# KiCad board bitaxeUltra.kicad_pcb
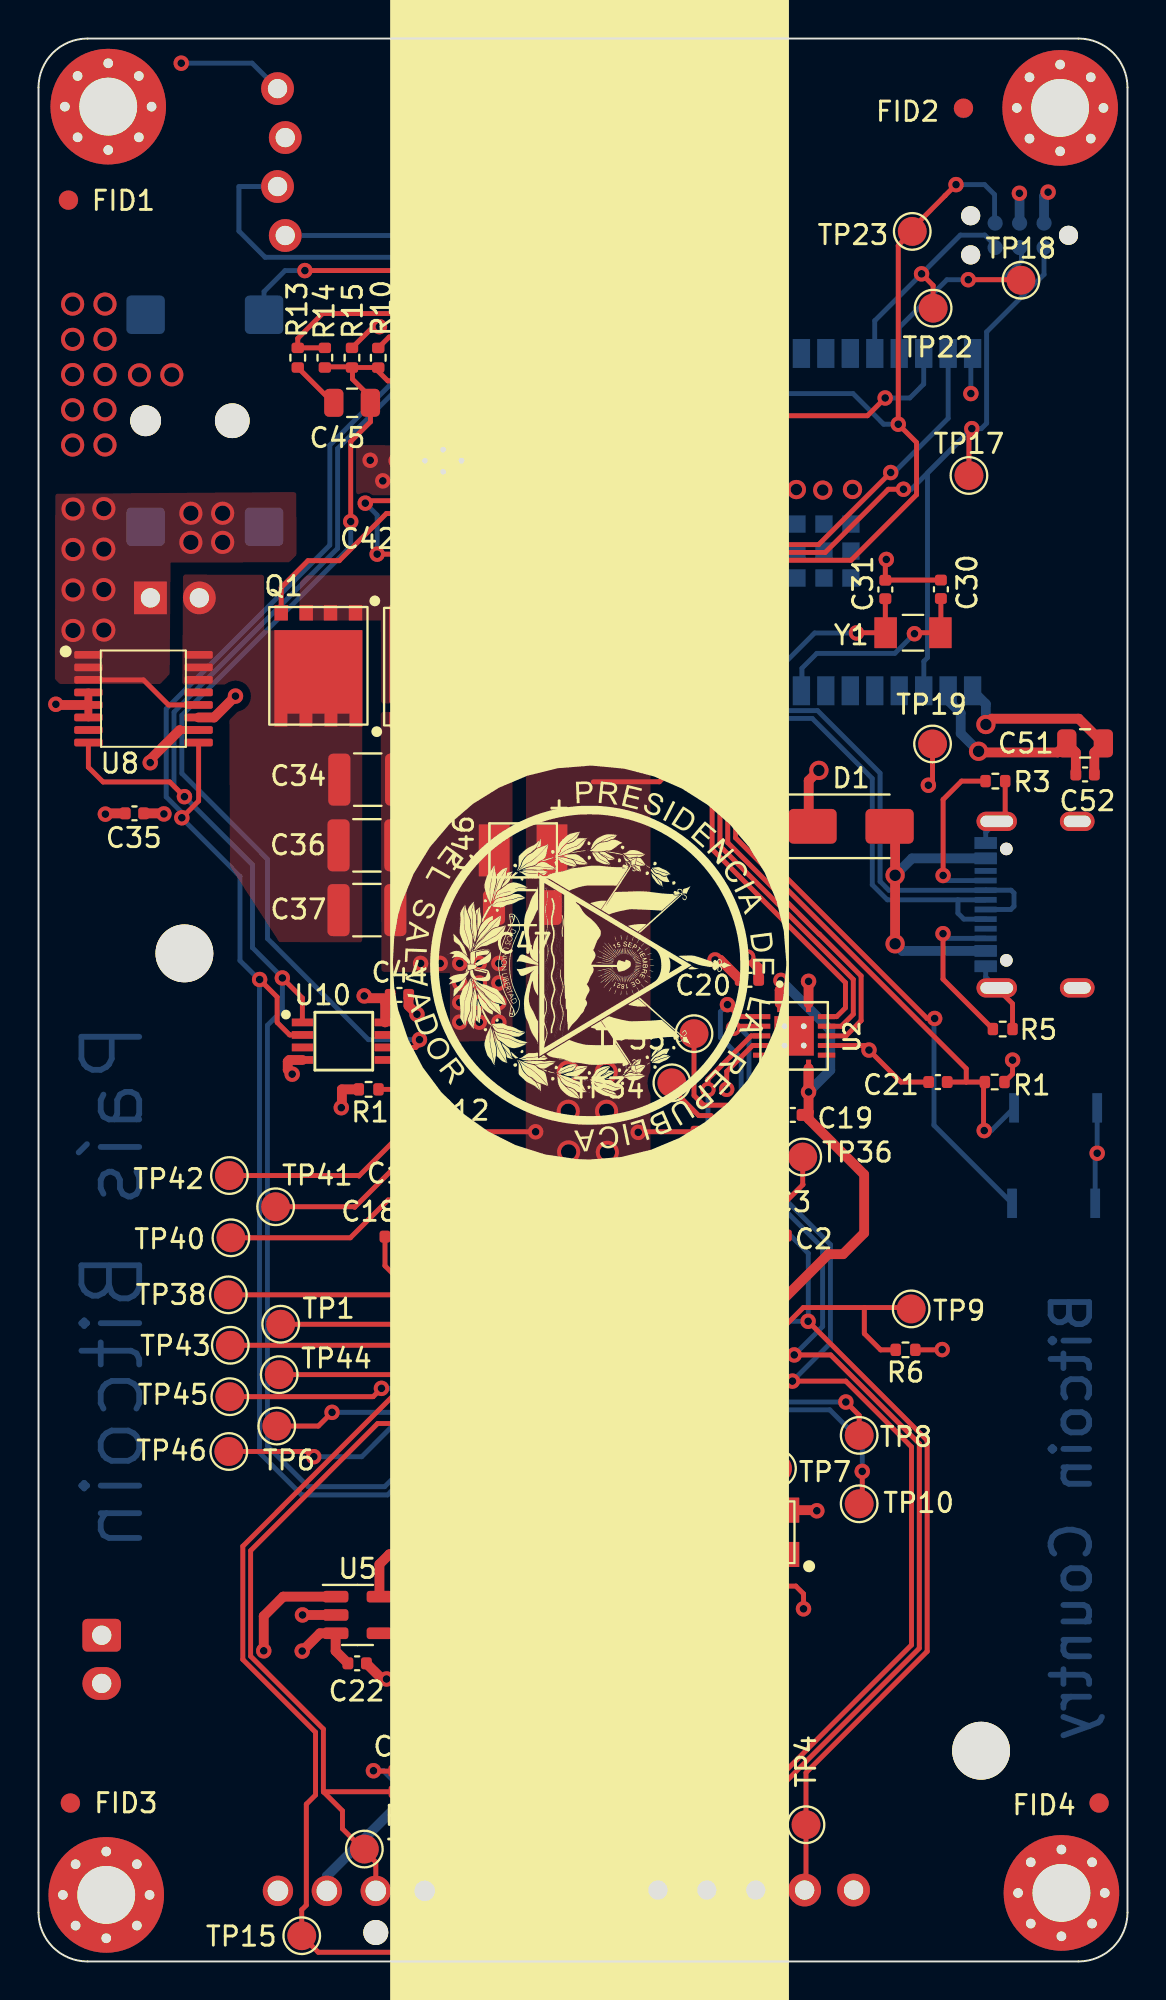
[diagram p0: board, top side]
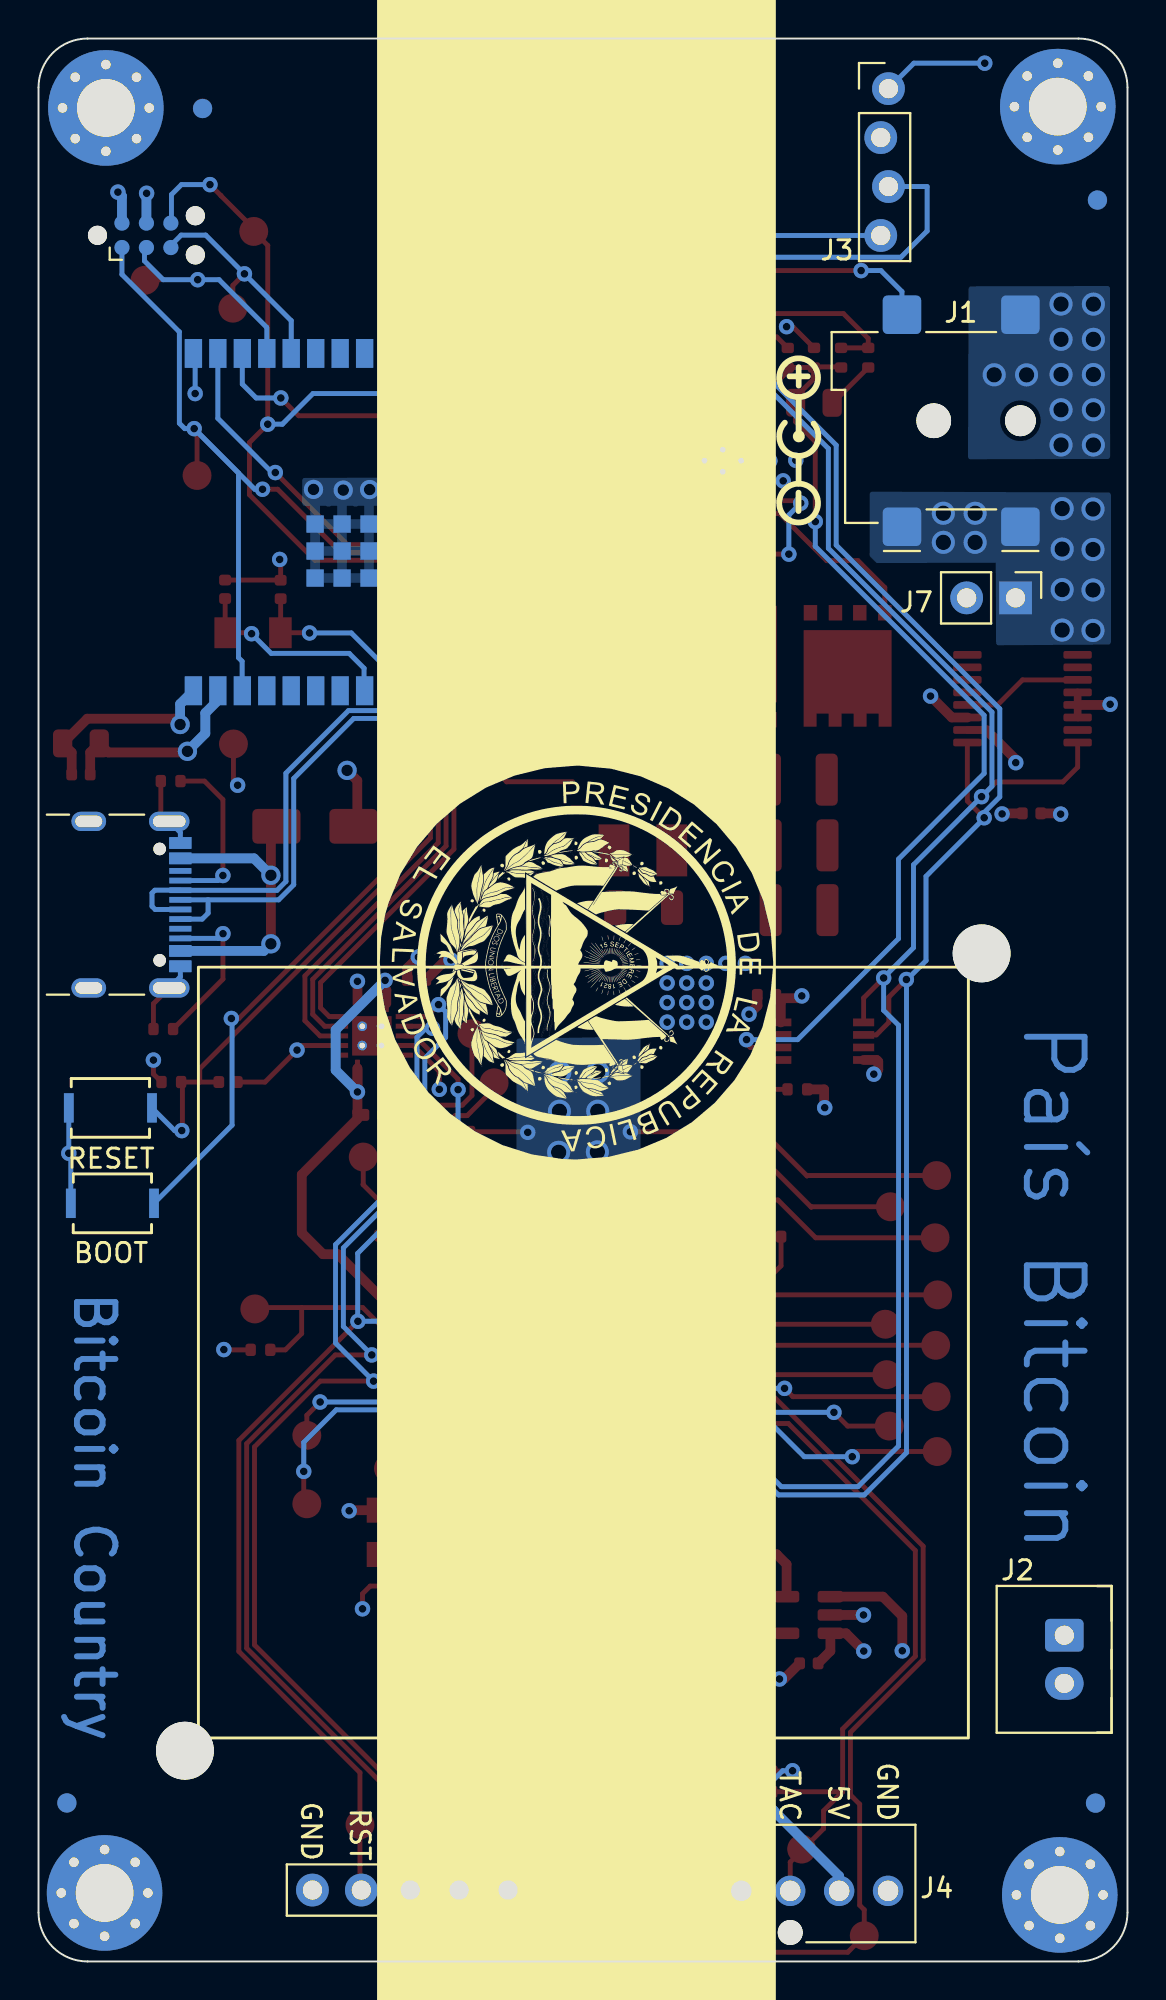
[diagram p1: board, bottom side, seen from below]

Outline 56.54 x 99.76 mm; copper layers: Top, In1.Cu, In2.Cu, Bottom. Coordinates in mm from the lower left corner of the outline.
Outline path: 0,97.22 arc(0.74,99.02) 2.54,99.76 54,99.76 arc(55.8,99.02) 56.54,97.22 56.54,2.54 arc(55.8,0.74) 54,0 2.54,0 arc(0.74,0.74) 0,2.54 0,97.22
Stack: Top 0.02mm / dielectric 0.5mm FR4 er 4.5 / In1.Cu 0.02mm / dielectric 0.5mm FR4 er 4.5 / In2.Cu 0.02mm / dielectric 0.5mm FR4 er 4.5 / Bottom 0.02mm

## Placement (name value [footprint] x y rotation side)
C1  0.1uF  [C_0402_1005Metric]  38.06 19.47 180 top
C2  1uF  [C_0402_1005Metric]  38.35 37.66 180 top
C3  1uF  [C_0402_1005Metric]  37.25 39.49 180 top
C4  1uF  [C_0402_1005Metric]  31.3 24.97 90 top
C5  1uF  [C_0402_1005Metric]  34.97 25.96 90 top
C6  1uF  [C_0402_1005Metric]  35.95 41.25 180 top
C7  0.1uF  [C_0402_1005Metric]  35.08 32.63 270 top
C8  1uF  [C_0402_1005Metric]  34.62 43.04 180 top
C9  0.1uF  [C_0402_1005Metric]  32.79 32.57 270 top
C10  1uF  [C_0402_1005Metric]  31.52 32.6 270 top
C11  1uF  [C_0402_1005Metric]  33.96 32.58 270 top
C12  1uF  [C_0402_1005Metric]  22.11 43.04 180 top
C13  330uF  [CP_EIA-7343-31_Kemet-D_Pad2.25x2.55mm_HandSolder]  28.41 32.72 270 top
C14  1uF  [C_0402_1005Metric]  21.42 25.5 180 top
C15  1uF  [C_0402_1005Metric]  20.82 41.24 180 top
C16  1uF  [C_0402_1005Metric]  25.46 24.97 90 top
C17  1uF  [C_0402_1005Metric]  19.54 39.5 180 top
C18  1uF  [C_0402_1005Metric]  18.47 37.6 180 top
C19  0.1uF  [C_0402_1005Metric]  39.17 43.92 180 top
C20  0.1uF  [C_0402_1005Metric]  36.91 50.93 180 top
C21  1uF  [C_0402_1005Metric]  46.7 45.62 180 top
C22  1uF  [C_0402_1005Metric]  16.54 15.47 0 top
C23  1uF  [C_0402_1005Metric]  25.02 14.67 0 top
C24  1uF  [C_0402_1005Metric]  19.57 18.17 270 top
C25  1uF  [C_0402_1005Metric]  28.35 17.04 270 top
C27  1uF  [C_0402_1005Metric]  34.34 81.35 0 top
C28  220uF  [CP_Elec_6.3x7.7]  26.3 5.86 270 bottom
C29  0.1uF  [C_0402_1005Metric]  18.93 9.87 0 top
C30  6.8pF  [C_0402_1005Metric]  46.85 71.19 90 top
C31  6.8pF  [C_0402_1005Metric]  43.97 71.18 90 top
C33  0.1uF  [C_0402_1005Metric]  24.94 36.72 90 top
C34  47uF  [C_1210_3225Metric]  17.09 61.31 0 top
C35  1uF  [C_0402_1005Metric]  4.98 59.56 180 top
C36  47uF  [C_1210_3225Metric]  17.05 57.9 0 top
C37  47uF  [C_1210_3225Metric]  17.05 54.54 0 top
C38  1uF  [C_0805_2012Metric]  24.59 79.12 270 top
C39  3.3nF  [C_0402_1005Metric]  27.94 79.83 0 top
C40  180pF  [C_0805_2012Metric]  20.19 82.02 180 top
C41  1.5nF  [C_0805_2012Metric]  20.22 84.28 180 top
C42  0.1uF  [C_0402_1005Metric]  19.48 74.16 0 top
C43  10uF  [C_0805_2012Metric]  28.68 77.8 180 top
C44  1uF  [C_0402_1005Metric]  18.74 50.14 0 top
C45  470pF  [C_0805_2012Metric]  16.28 80.86 0 top
C46  220uF  [CAP_2R5TPE220MAFB]  25.16 57.64 180 top
C47  100uF  [C_1206_3216Metric]  25.12 54.67 180 top
C49  1uF  [C_0402_1005Metric]  37.41 86.35 180 top
C51  10uF  [C_0805_2012Metric]  54.34 63.19 0 top
C52  0.1uF  [C_0402_1005Metric]  54.34 61.58 0 top
D1  SS310  [D_SMA]  42.19 58.89 0 top
FID1  Fiducial  [Fiducial_1mm_Mask2mm]  1.55 91.38 0 top
FID2  Fiducial  [Fiducial_1mm_Mask2mm]  48.03 96.15 0 top
FID3  Fiducial  [Fiducial_1mm_Mask2mm]  1.65 8.22 0 top
FID4  Fiducial  [Fiducial_1mm_Mask2mm]  55.07 8.22 0 top
FID5  Fiducial  [Fiducial_1mm_Mask2mm]  48.03 96.13 180 bottom
FID6  Fiducial  [Fiducial_1mm_Mask2mm]  1.56 91.38 180 bottom
FID7  Fiducial  [Fiducial_1mm_Mask2mm]  55.07 8.22 180 bottom
FID8  Fiducial  [Fiducial_1mm_Mask2mm]  1.66 8.21 180 bottom
G***  LOGO  [flagLogo]  28.61 51.68 270 top
G***#2  LOGO  [flagStrip]  28.61 51.68 270 top
G***#3  LOGO  [flagLogo]  28.61 51.68 270 bottom
G***#4  LOGO  [flagStrip]  28.61 51.68 270 bottom
H5  MountingHole  [MountingHole_3.5mm#2]  48.87 10.92 0 top
H6  MountingHole  [MountingHole_3.5mm]  7.52 52.37 0 top
H7  MountingHole_Pad  [MountingHole_3mm_Pad_Via]  53.05 96.16 0 top
H8  MountingHole_Pad  [MountingHole_3mm_Pad_Via]  3.62 96.23 0 top
H9  MountingHole_Pad  [MountingHole_3mm_Pad_Via]  53.11 3.56 0 top
H10  MountingHole_Pad  [MountingHole_3mm_Pad_Via]  3.52 3.45 0 top
J1  54-00164  [BarrelJack_Wuerth_694106106102_2.0x5.5mm]  8.64 79.93 90 bottom
J2  Conn_01x02  [JST_XH_B2B-XH-A_1x02_P2.50mm_Vertical]  3.28 16.92 270 bottom
J3  Conn_01x05  [PinHeader_1x05_P2.54mm_Vertical]  32.16 3.7 270 bottom
J3#2  Conn_01x04  [PinHeader_1x04_P2.54mm_Vertical_shifted]  12.61 97.16 180 bottom
J4  Conn_01x04  [470531000]  12.43 3.66 0 bottom
J5  TC2030-IDC  [Tag-Connect_TC2030-IDC-NL_2x03_P1.27mm_Vertical]  50.94 89.55 180 bottom
J7  Conn_01x02  [PinHeader_1x02_P2.54mm_Vertical]  5.81 70.74 270 bottom
J8  USB_C_Receptacle_USB2.0  [USB_C_Receptacle_GCT_USB4105-xx-A_16P_TopMnt_Horizontal]  52.86 54.83 270 bottom
Q1  -  [CSD17311Q5]  14.53 67.22 90 top
Q2  -  [CSD17311Q5]  20.49 67.17 270 top
Q4  2N7002K  [SOT-323_SC-70]  33.18 77.5 180 top
R1  10k  [R_0402_1005Metric]  49.65 45.63 180 top
R2  5.6k  [R_0402_1005Metric]  18.96 8.8 0 top
R3  5.1k  [R_0402_1005Metric]  49.68 61.24 180 top
R4  10k  [R_0402_1005Metric]  32.77 75.52 180 top
R5  5.1k  [R_0402_1005Metric]  50.07 48.37 180 top
R6  10k  [R_0402_1005Metric]  45.02 31.73 180 top
R7  10k  [R_0402_1005Metric]  32.66 72.87 0 top
R8  1M  [R_0402_1005Metric]  36.58 76.84 270 top
R9  10k  [R_0402_1005Metric]  23.9 35.73 90 top
R10  3.83k  [R_0402_1005Metric]  17.64 83.2 270 top
R12  4.12k  [R_0402_1005Metric]  21.97 74.16 0 top
R13  1.33k  [R_0402_1005Metric]  13.46 83.2 270 top
R14  4.99k  [R_0402_1005Metric]  14.87 83.2 270 top
R15  3.32k  [R_0402_1005Metric]  16.28 83.2 90 top
R16  80.6k  [R_0402_1005Metric]  17.14 45.24 180 top
SW1  GT-TC029B-H025-L1N  [SW_CS1213AGF260_CRS]  52.81 44.28 180 bottom
SW2  GT-TC029B-H025-L1N  [SW_CS1213AGF260_CRS]  52.71 39.33 180 bottom
TP1  TestPoint  [TestPoint_Pad_D1.5mm]  12.57 33.06 0 top
TP2  TestPoint  [TestPoint_Pad_D1.5mm]  34.7 7.13 0 top
TP3  TestPoint  [TestPoint_Pad_D1.5mm]  37.22 7.13 0 top
TP4  TestPoint  [TestPoint_Pad_D1.5mm]  39.85 7.09 90 top
TP5  TestPoint  [TestPoint_Pad_D1.5mm]  34.25 17.12 0 top
TP6  TestPoint  [TestPoint_Pad_D1.5mm]  12.37 27.78 0 top
TP7  TestPoint  [TestPoint_Pad_D1.5mm]  38.37 25.57 0 top
TP8  TestPoint  [TestPoint_Pad_D1.5mm]  42.61 27.29 0 top
TP9  TestPoint  [TestPoint_Pad_D1.5mm]  45.31 33.85 0 top
TP10  TestPoint  [TestPoint_Pad_D1.5mm]  42.61 23.74 0 top
TP13  TestPoint  [TestPoint_Pad_D1.5mm]  21.28 19.55 0 top
TP14  TestPoint  [TestPoint_Pad_D1.5mm]  30.64 18.08 0 top
TP15  TestPoint  [TestPoint_Pad_D1.5mm]  13.67 1.34 0 top
TP16  TestPoint  [TestPoint_Pad_D1.5mm]  16.92 5.83 0 top
TP17  TestPoint  [TestPoint_Pad_D1.5mm]  48.31 77.09 0 top
TP18  TestPoint  [TestPoint_Pad_D1.5mm]  51.01 87.22 0 top
TP19  TestPoint  [TestPoint_Pad_D1.5mm]  46.42 63.16 0 top
TP22  TestPoint  [TestPoint_Pad_D1.5mm]  46.45 85.77 0 top
TP23  TestPoint  [TestPoint_Pad_D1.5mm]  45.37 89.76 0 top
TP34  TestPoint  [TestPoint_Pad_D1.5mm]  32.89 45.58 0 top
TP35  TestPoint  [TestPoint_Pad_D1.5mm]  34.04 48.13 0 top
TP36  TestPoint  [TestPoint_Pad_D1.5mm]  39.68 41.73 0 top
TP38  TestPoint  [TestPoint_Pad_D1.5mm]  9.86 34.58 0 top
TP40  TestPoint  [TestPoint_Pad_D1.5mm]  9.99 37.54 0 top
TP41  TestPoint  [TestPoint_Pad_D1.5mm]  12.31 39.15 0 top
TP42  TestPoint  [TestPoint_Pad_D1.5mm]  9.91 40.77 0 top
TP43  TestPoint  [TestPoint_Pad_D1.5mm]  9.96 31.97 0 top
TP44  TestPoint  [TestPoint_Pad_D1.5mm]  12.5 30.44 0 top
TP45  TestPoint  [TestPoint_Pad_D1.5mm]  9.93 29.3 0 top
TP46  TestPoint  [TestPoint_Pad_D1.5mm]  9.88 26.46 0 top
U1  25MHz  [O 25,0-JO32-B-1V3-1-T1-LF]  38 22.26 90 top
U2  TXB0104RGYR  [TXB0104]  39.23 48.02 270 top
U3  ~  [polarity]  17.08 79.13 90 bottom
U5  MCP1824T-1802E  [SOT-23-5]  16.56 17.98 0 top
U6  MCP1824T-0802E  [SOT-23-5]  25.13 17.04 0 top
U7  EMC2101  [TSSOP-8_3x3mm_P0.65mm]  24.21 31.26 270 top
U8  INA260  [TSSOP-16_4.4x5mm_P0.65mm]  5.45 65.51 0 top
U9  -  [TPS40305]  21.01 77.86 270 top
U10  DS4432U+  [TSSOP-8_3x3mm_P0.65mm]  15.85 47.74 0 top
U11  -  [RT9080-33GJ5]  35.37 83.9 0 top
U12  -  [ESP32-S3-WROOM-1]  40.24 74.67 90 bottom
U14  BM1366_mode1  [BM1366]  28.42 31.22 180 bottom
Y1  32.768kHz  [SC32S-7PF20PPM]  45.41 68.93 180 top

## Library data of the parts
C1 C7 C9 C19 C20 C29 C33 C42 C52 = -: Description: Unpolarized capacitor; DK: 1292-1639-1-ND; PARTNO: 0402X104K100CT
C2-C6 C8 C10-C12 C14-C18 C21-C25 C27 C35 C44 C49 = -: Description: Unpolarized capacitor; DK: 587-5514-1-ND; PARTNO: EMK105BJ105MV-F
C13 = -: Description: Polarized capacitor; DK: 718-1028-1-ND; PARTNO: 293D337X9010E2TE3
C28 = -: Description: Polarized capacitor; DK: 732-8422-1-ND; PARTNO: 865080345012
C30 C31 = -: Description: Unpolarized capacitor; DK: 399-C0402C689C5GAC7867CT-ND; PARTNO: C0402C689C5GAC7867
C34 C36 C37 = -: Description: Unpolarized capacitor; DK: 490-6539-1-ND; PARTNO: GRM32ER61C476KE15L
C38 = -: Description: Unpolarized capacitor; DK: 1276-6471-1-ND; PARTNO: CL21B105KOFNNNG
C39 = -: Description: Unpolarized capacitor; DK: 1276-1552-1-ND; PARTNO: CL05B332KB5NNNC
C40 = -: Description: Unpolarized capacitor; DK: 311-1114-1-ND; PARTNO: CC0805JRNPO9BN181
C41 = -: Description: Unpolarized capacitor; DK: 311-1128-1-ND; PARTNO: CC0805KRX7R9BB152
C43 C51 = -: Description: Unpolarized capacitor; DK: 1276-1096-1-ND; PARTNO: CL21A106KOQNNNE
C45 = -: Description: Unpolarized capacitor; DK: 1292-1580-1-ND; PARTNO: 0805B471K500CT
C46 = -: Description: Polarized capacitor; DK: P16200CT-ND; PARTNO: 2R5TPE220MAFB
C47 = -: Description: Unpolarized capacitor; DK: 445-6008-1-ND; PARTNO: C3216X5R0J107M160AB
D1 = -: DK: SK310A-LTPMSCT-ND; PARTNO: SK310A-LTP
FID1-FID8 = -: Description: Fiducial Marker
H5 H6 = -: Description: Mounting Hole without connection
H7-H10 = -: Description: Mounting Hole with connection
J1 = -: Description: DC Barrel Jack with an internal switch; DK: 839-54-00164CT-ND
J2 = -: Description: Generic connector, single row, 01x02, script generated (kicad-library-utils/schlib/autogen/connector/); DK: 455-B2B-XH-A-ND; PARTNO: B2B-XH-A
J3 = -: Description: Generic connector, single row, 01x05, script generated (kicad-library-utils/schlib/autogen/connector/)
J3#2 = -: DK: S5596-ND; PARTNO: NPTC041KFXC-RC
J4 = -: Description: Generic connector, single row, 01x04, script generated (kicad-library-utils/schlib/autogen/connector/); DK: WM4330-ND; PARTNO: 0470531000
J7 = -: Description: Generic connector, single row, 01x02, script generated (kicad-library-utils/schlib/autogen/connector/)
J8 = -: Description: USB 2.0-only Type-C Receptacle connector; DK: 2073-USB4105-GF-ACT-ND; PARTNO: USB4105-GF-A
Q1 Q2 = -: Description: N-MOSFET transistor, drain/gate/source; DK: 296-27625-1-ND
Q4 = -: Description: 0.38A Id, 60V Vds, N-Channel MOSFET, SOT-23; DK: 2N7002KWCT-ND; PARTNO: 2N7002KW
R1 R4 R6 R7 R9 = -: Description: Resistor, US symbol; DK: 311-10KJRCT-ND; PARTNO: RC0402JR-0710KL
R2 = -: Description: Resistor, US symbol; DK: 13-RC0402FR-135K6LCT-ND; PARTNO: RC0402FR-135K6L
R3 R5 = -: Description: Resistor, US symbol; DK: RMCF0402JT5K10CT-ND; PARTNO: RMCF0402JT5K10
R8 = -: Description: Resistor, US symbol; DK: 311-1.00MLRCT-ND; PARTNO: RC0402FR-071ML
R10 = -: Description: Resistor, US symbol; DK: 311-3.83KLRCT-ND; PARTNO: RC0402FR-073K83L
R12 = -: Description: Resistor, US symbol; DK: RMCF0402FT4K12CT-ND; PARTNO: RMCF0402FT4K12
R13 = -: Description: Resistor, US symbol; DK: 311-1.33KLRCT-ND; PARTNO: RC0402FR-071K33L
R14 = -: Description: Resistor, US symbol; DK: 311-4.99KLRCT-ND; PARTNO: RC0402FR-074K99L
R15 = -: Description: Resistor, US symbol; DK: 311-3.32KLRCT-ND; PARTNO: RC0402FR-073K32L
R16 = -: Description: Resistor, US symbol; DK: 311-80.6KLRCT-ND; PARTNO: RC0402FR-0780K6L
SW1 SW2 = -: DK: 2449-CS1213AGF260CT-ND; PARTNO: CS1213AGF260
TP1-TP10 TP13-TP19 TP22 TP23 TP34-TP36 TP38 TP40-TP46 = -: Description: test point
U1 = -: DK: 1908-O250-JO32-B-1V3-1-T1-LFCT-ND; PARTNO: O 25,0-JO32-B-1V3-1-T1-LF
U2 = -: DK: 296-21930-1-ND
U5 = -: DK: MCP1824T-1802E/OTCT-ND; PARTNO: MCP1824T-1802E/OT
U6 = -: DK: MCP1824T-0802E/OTCT-ND; PARTNO: MCP1824T-0802E/OT
U7 = -: DK: EMC2101-R-ACZL-CT-ND; PARTNO: EMC2101-R-ACZL-TR
U8 = -: Description: Current/power/voltage monitor with Integrated 2mΩ Shunt Resistor, 2.7V - 5.5V, I2C, TSSOP-16; DK: 296-45218-5-ND; PARTNO: INA260AIPW
U9 = -: DK: 296-37445-1-ND; PARTNO: TPS40305DRCR
U10 = -: DK: DS4432U+-ND
U11 = -: DK: 1028-1509-1-ND
U12 = -: Description: 2.4 GHz WiFi (802.11 b/g/n) and Bluetooth ® 5 (LE) module Built around ESP32S3 series of SoCs, Xtensa ® dualcore 32bit LX7 microprocessor Flash up to 16 MB, PSRAM up to 8 MB 36 GPIOs, rich set of peripherals Onboard PCB antenna; DK: 1965-ESP32-S3-WROOM-1-N16R8CT-ND; PARTNO: ESP32-S3-WROOM-1-N16R8
Y1 = -: Description: Two pin crystal; DK: 728-1074-1-ND; PARTNO: SC32S-7PF20PPM

## Footprints (pads in the part's own frame, mm; a bottom-side part is the same pattern mirrored in y, then rotated)
470531000
  round 1.295 hole 1.295 unplated: (5.08,2.16)
  round 1.575 hole 1.067: 1(0,0) 2(2.54,0) 3(5.08,0) 4(7.62,0)
BarrelJack_Wuerth_694106106102_2.0x5.5mm
  round 1.6 hole 1.6 unplated: (0,-3.075)
  round 1.8 hole 1.8 unplated: (0,1.425)
  rrect 2x2 smd: 1(-5.5,-3.075) 1(-5.5,3.075) 2(5.5,-3.075) 3(5.5,3.075)
BM1366
  rect 0.792x0.221 smd: 1(-2.916,3.263) 2(-2.916,2.761) 3(-2.916,2.259) 4(-2.916,1.757) 5(-2.916,1.255) 6(-2.916,0.753) 7(-2.916,0.251) 8(-2.916,-0.251) 9(-2.916,-0.753) 10(-2.916,-1.255) 11(-2.916,-1.757) 12(-2.916,-2.259) 13(-2.916,-2.761) 14(-2.916,-3.263) 15(2.916,-3.25) 16(2.916,-2.75) 17(2.916,-2.25) 18(2.916,-1.75) 19(2.916,-1.25) 20(2.916,-0.753) 21(2.916,-0.25) 22(2.916,0.251) 23(2.916,0.753) 24(2.916,1.255) 25(2.916,1.757) 26(2.916,2.25) 27(2.916,2.761) 28(2.916,3.25)
  rect 4.277x1.81 smd: 29(0,2.468)
  rect 4.277x4.53 smd: 30(0,-1.108)
C_0402_1005Metric
  rrect 0.56x0.62 smd: 1(-0.48,0) 2(0.48,0)
C_0805_2012Metric
  rrect 1x1.45 smd: 1(-0.95,0) 2(0.95,0)
C_1206_3216Metric
  rrect 1.15x1.8 smd: 1(-1.475,0) 2(1.475,0)
C_1210_3225Metric
  rrect 1.15x2.7 smd: 1(-1.475,0) 2(1.475,0)
CAP_2R5TPE220MAFB
  rect 1.6x2.7 smd: 1(-1.5,0) 2(1.5,0)
CP_EIA-7343-31_Kemet-D_Pad2.25x2.55mm_HandSolder
  rrect 2.25x2.55 smd: 1(-3.2,0) 2(3.2,0)
CP_Elec_6.3x7.7
  rrect 3.5x1.6 smd: 1(-2.7,0) 2(2.7,0)
CSD17311Q5
  rect 0.8x0.7 smd: 1(2.752,-1.93) 2(2.752,-0.632) 3(2.752,0.632) 4(2.752,1.93)
  custom 5.01x4.57 smd: 5(1.847,2.28)
D_SMA
  rrect 2.5x1.8 smd: 1(-2,0) 2(2,0)
ESP32-S3-WROOM-1
  rect 1.5x0.9 smd: 1(-8.75,8.26) 2(-8.75,6.99) 3(-8.75,5.72) 4(-8.75,4.45) 5(-8.75,3.18) 6(-8.75,1.91) 7(-8.75,0.64) 8(-8.75,-0.63) 9(-8.75,-1.9) 10(-8.75,-3.17) 11(-8.75,-4.44) 12(-8.75,-5.71) 13(-8.75,-6.98) 14(-8.75,-8.25) 27(8.75,-8.25) 28(8.75,-6.98) 29(8.75,-5.71) 30(8.75,-4.44) 31(8.75,-3.17) 32(8.75,-1.9) 33(8.75,-0.63) 34(8.75,0.64) 35(8.75,1.91) 36(8.75,3.18) 37(8.75,4.45) 38(8.75,5.72) 39(8.75,6.99) 40(8.75,8.26)
  rect 0.9x1.5 smd: 15(-6.985,-9.5) 16(-5.715,-9.5) 17(-4.445,-9.5) 18(-3.175,-9.5) 19(-1.905,-9.5) 20(-0.635,-9.5) 21(0.635,-9.5) 22(1.905,-9.5) 23(3.175,-9.5) 24(4.445,-9.5) 25(5.715,-9.5) 26(6.985,-9.5)
  rect 0.9x0.9 smd: 41(-2.9,-0.86) 41(-2.9,0.54) 41(-2.9,1.94) 41(-1.5,-0.86) 41(-1.5,0.54) 41(-1.5,1.94) 41(-0.1,-0.86) 41(-0.1,0.54) 41(-0.1,1.94)
Fiducial_1mm_Mask2mm
  round 1 smd: (0,0)
JST_XH_B2B-XH-A_1x02_P2.50mm_Vertical
  rrect 1.7x2 hole 1: 1(0,0)
  oval 1.7x2 hole 1: 2(2.5,0)
MountingHole_3.5mm
  round 3 hole 3 unplated: (0.054,-0.074)
MountingHole_3.5mm#2
  round 3 hole 3 unplated: (0.07,0.01)
MountingHole_3mm_Pad_Via
  round 0.8 hole 0.5: 1(-2.25,0) 1(-1.591,1.591) 1(-1.591,-1.591) 1(0,2.25) 1(0,-2.25) 1(1.591,1.591) 1(1.591,-1.591) 1(2.25,0)
  round 6 hole 3: 1(0,0)